# Altium PCB RTM_SFP.PcbDoc (part 4 of 7) (continued)
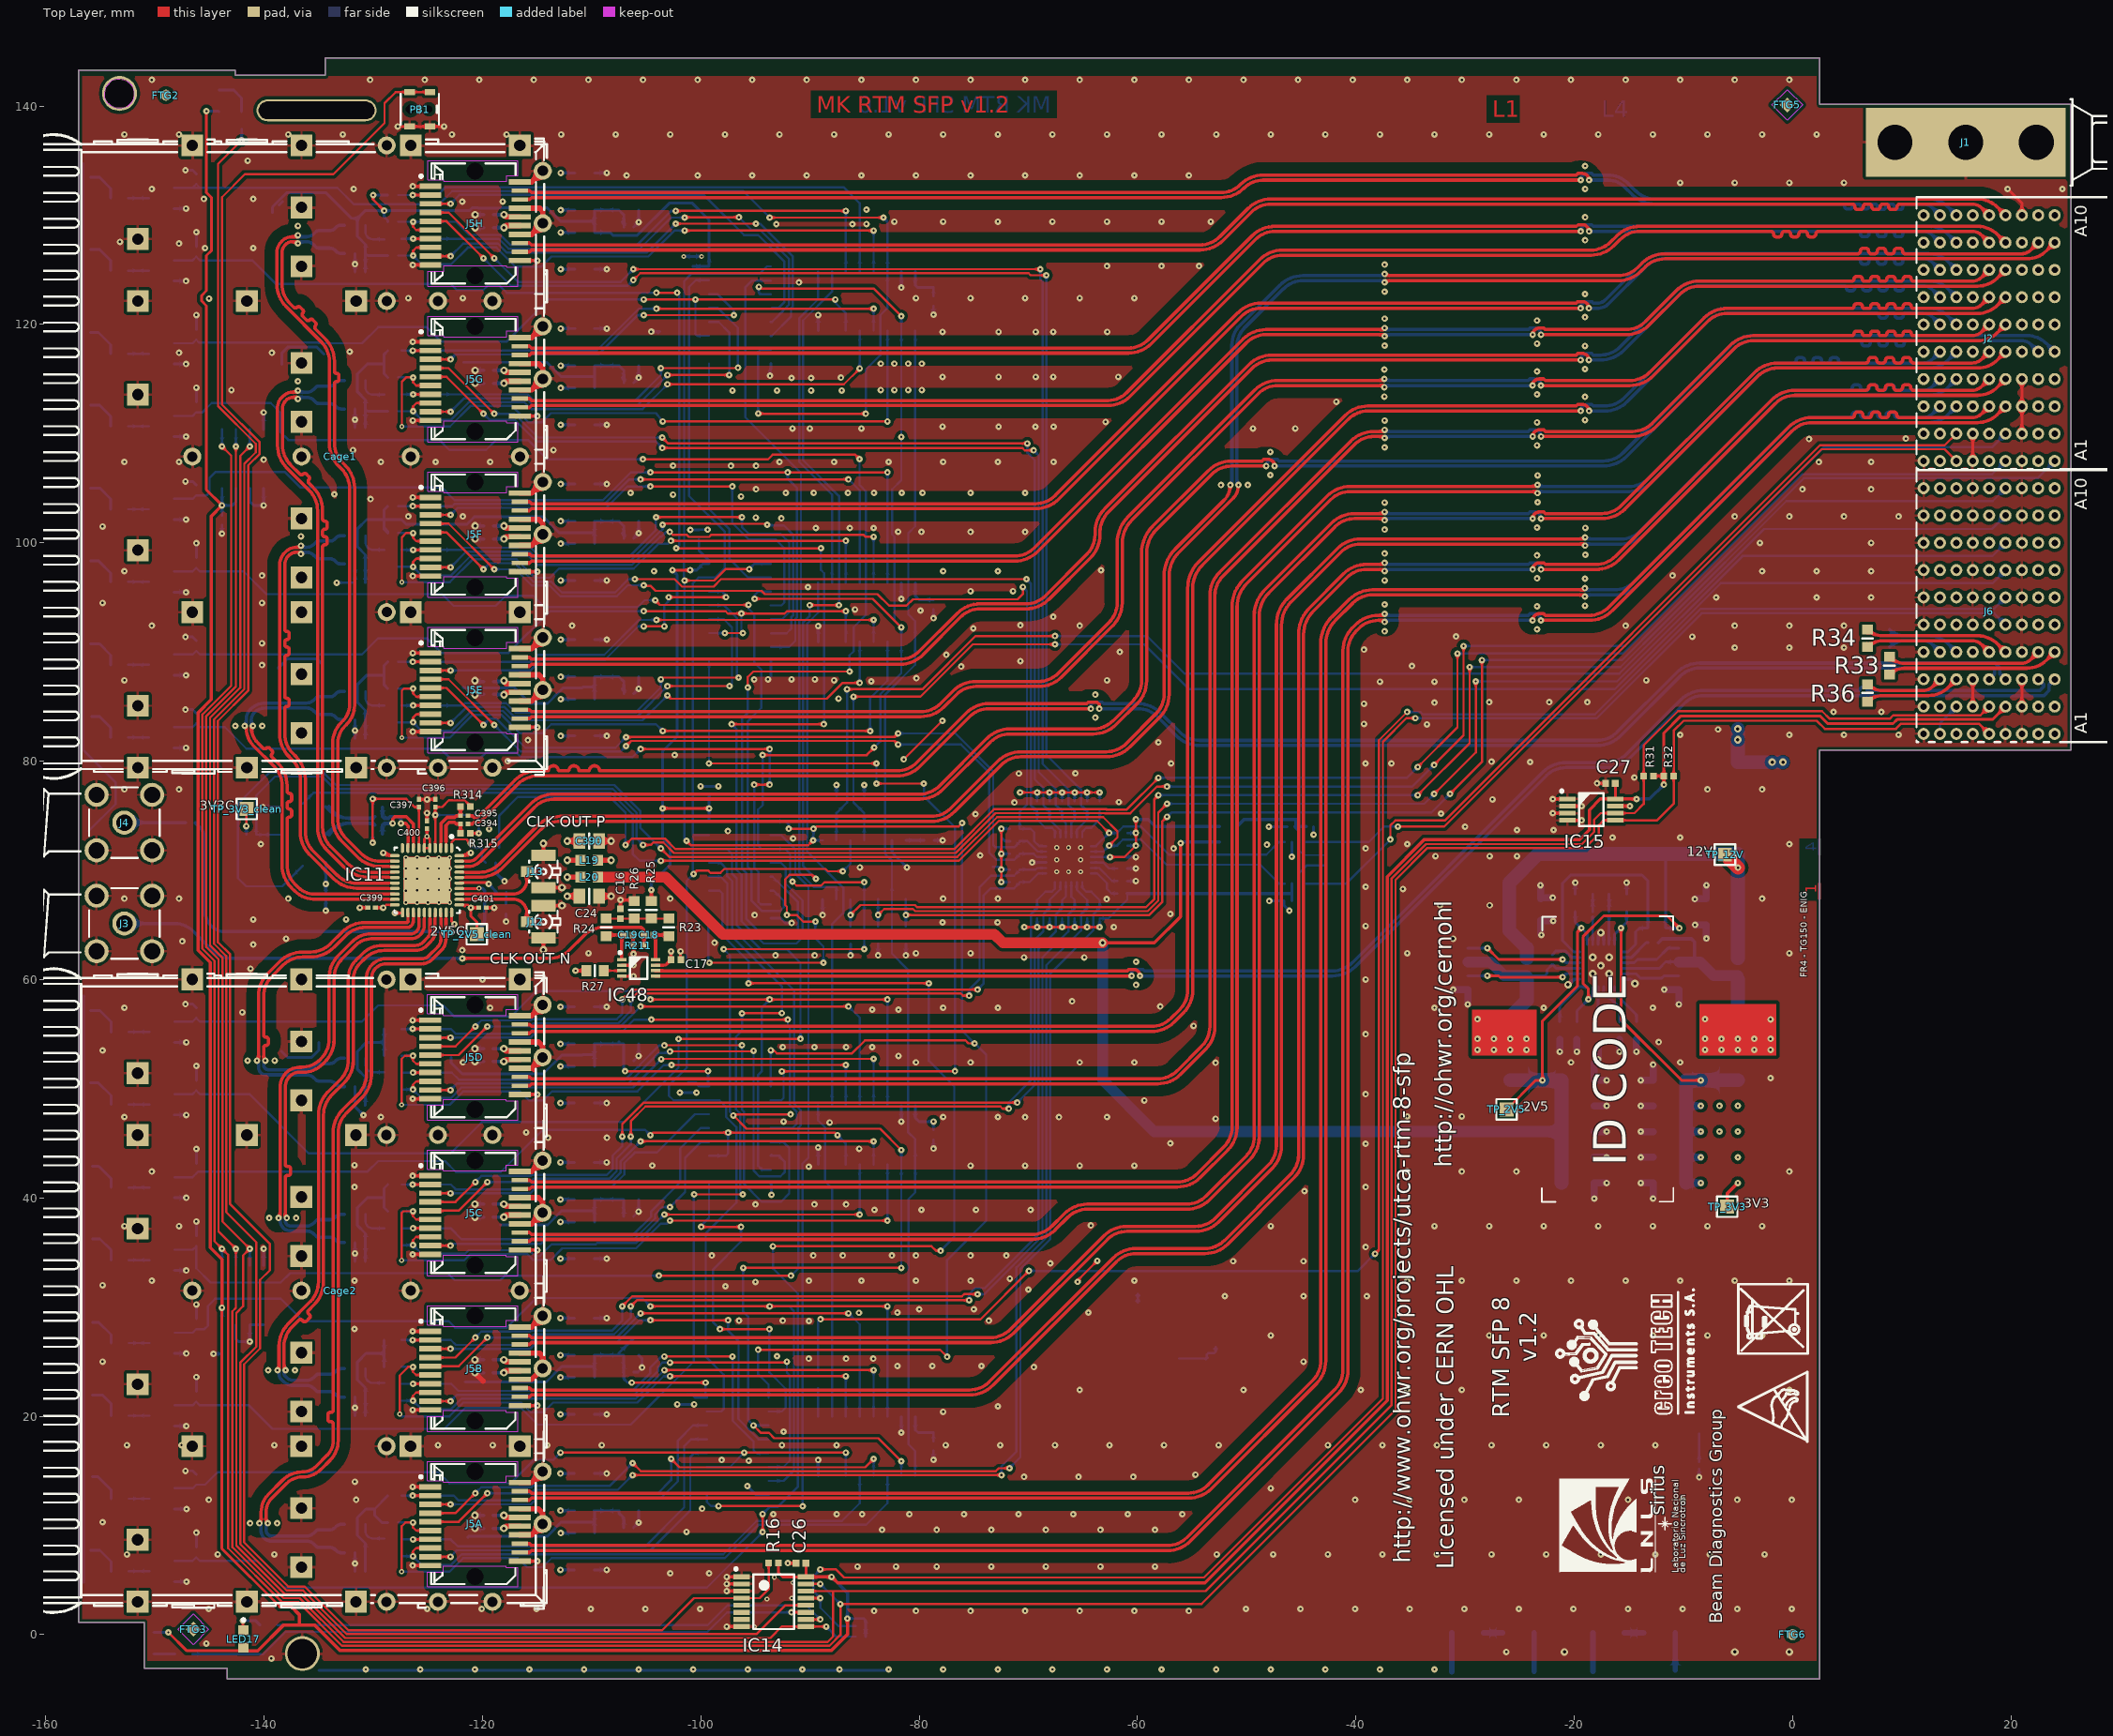
[diagram p0: Top Layer view]
## Nets (pads, with @x,y where several pads share a name; then routed paths per layer and width w, separated by ;. In a path a pad name is that pad's centre, name@x,y a point inside that pad or via, vN(x,y) a via of type N, cw(c..) or ccw(c..) an arc to the next point about the centre after c; other vN are vias at no path point) (continued)
  Top Layer w0.203: C17.1@-102.74,61.81 v1(-102.74,62.59) ; v1(-81.42,80.16) v1(-77.88,83.7) ; v1(-72.485,68.93) v1(-72.485,70.075) v1(-72.485,71.52) v1(-72.485,73.815) ; v1(-70.76,77.135) v1(-69.205,77.135) v1(-68.06,77.135) v1(-66.91,77.135) v1(-65.76,77.135) v1(-64.615,77.135) v1(-63.47,77.135) ; v1(-70.375,64.8) v1(-69.205,64.8) v1(-68.06,64.8) v1(-66.91,64.8) v1(-65.76,64.8) v1(-64.615,64.8) v1(-63.47,64.8) ; v1(-65.49,32.31) -65.49,32.44 v1(-63.69,34.24) ; v1(-62.53,71.22) -61.195,71.22 v1(-60.15,72.265) v1(-60.15,73.42) v1(-60.15,74.675)
  Top Layer w0.254: v1(-130.015,131.85) -130.015,131.43 v1(-129,130.415) ; v1@-111.51,60.81 v1(-111.48,60.81) R27.2@-110.5,60.81 ; v1@-106.943,51.597 v1@-99.349,51.597 ; v1(-106.325,23.075) v1(-99.575,23.075) ; R25.1@-104.54,67.18 v1(-104.54,68.19) ; IC48.7@-104.15,61.31 -103.24,61.31 C17.1@-102.74,61.81 ; v1(-103.5,75.675) v1(-99.245,75.675) ; v1(-102.603,97.498) v1(-100.99,97.498) ; v1(-15.73,64.71) -15.73,56.33 -10.17,50.77 v1(-8.41,50.77)
  Top Layer w0.308: TP_3V3.1@-6,39.2 -6,40.39 v1(-5.02,41.37)
  Top Layer w0.5: L19.1@-109.43,70.93 v2(-108.23,70.93)
  Bottom Layer w0.2: -156.58,134.74 -156.556,81 -153.6,78.044 -153.6,76.07 -156.07,73.6
  Bottom Layer w0.203: C3.1@-78.7,17.706 -78.7,18.496 ; C4.1@-78.7,46.206 v1(-78.7,46.996) ; C8.1@-78.7,122.586 -78.7,123.376 ; -73.252,70.313 -72.723,70.313 v1(-72.485,70.075) R323.2@-71.695,70.075 ; v1(-72.485,68.93) R322.2@-71.695,68.93 ; v1(-72.485,71.52) R329.2@-71.695,71.52 ; v1(-72.485,73.815) R331.2@-71.695,73.815 ; v1(-69.205,64.8) R321.2@-69.205,65.59 ; R332.2@-69.205,76.345 v1(-69.205,77.135) ; v1(-68.06,64.8) R320.2@-68.06,65.59 ; R333.2@-68.06,76.345 v1(-68.06,77.135) ; v1(-66.91,64.8) R319.2@-66.91,65.59 ; R334.2@-66.91,76.345 v1(-66.91,77.135) ; v1(-65.76,64.8) R318.2@-65.76,65.59 ; R335.2@-65.76,76.345 v1(-65.76,77.135) ; v1(-64.615,64.8) R317.2@-64.615,65.59 ; R336.2@-64.615,76.345 v1(-64.615,77.135) ; IC39.21@-64.269,71.22 v1(-62.53,71.22) C402.2@-61.74,71.22 ; v1@-63.84,34.09 v1(-63.69,34.24) ; v1(-63.47,64.8) R316.2@-63.47,65.59 -62.67,65.59 -60.94,67.32 R28.2@-60.94,67.88 ; R328.1@-63.47,76.345 v1(-63.47,77.135) ; R324.2@-60.94,72.265 v1(-60.15,72.265) -59.835,72.265 ; R325.2@-60.94,73.42 v1(-60.15,73.42) ; -60.112,30.56 ccw(c-60.451,30.899) -59.971,30.899 ccw(c-59.492,30.899) -59.831,30.56 ; -59.971,30.42 -59.971,31.21 ; -56.18,25.29 -53.651,25.29 -53.651,25.649 -53.519,25.781 -52.969,25.781 -52.851,25.899 ; -53.914,25.29 cw(c-53.914,25.052) -53.746,25.22 ; -53.721,25.36 ccw(c-53.889,25.528) -53.651,25.528 ccw(c-53.414,25.528) -53.582,25.36 ; -52.982,26.185 cw(c-53.231,25.899) -52.851,25.899 ; -52.851,26.335 -52.851,25.899 ; -52.721,26.185 ccw(c-52.471,25.899) -52.851,25.899 ; -59.971,30.731 cw(c-59.492,30.731) -59.831,31.069 ccw(c-59.492,30.731) -59.971,30.731 ; -59.971,30.731 ccw(c-60.451,30.731) -60.112,31.069 cw(c-60.451,30.731) -59.971,30.731
  Bottom Layer w0.254: -156.529,4.779 -156.529,58.462 -156.49,58.501 ; -139.24,130.24 -139.24,130.75 -137.91,132.08 -134.365,132.08 -132.01,129.725 -131.45,129.725 ; -138.7,88.49 -138.7,88.537 -137.867,89.37 -135.17,89.37 -134.76,88.96 ; -138.63,130.93 -138.32,131.24 ; -138.42,53.44 -137.83,52.85 -135.676,52.85 -135,53.526 -135,54.23 ; -138.37,116.35 -138.37,117.4 -137.82,117.95 -135.2,117.95 -134.53,117.28 ; C202D.2@-130.76,48.49 -130.73,48.49 IC20D.1@-130.73,50.2 -130.73,51.05 -131.45,51.77 -131.45,53.425 -130.62,54.255 -129.014,54.255 ; C202A.2@-130.73,5.789 IC20A.1@-130.73,7.499 -130.73,8.355 -131.475,9.1 -131.475,10.7 -130.67,11.505 -129.885,11.505 ; C202B.2@-130.73,20.04 IC20B.1@-130.73,21.75 -130.73,22.6 -131.45,23.32 -131.45,24.975 -130.67,25.755 -129.014,25.755 ; C202C.2@-130.73,34.19 IC20C.1@-130.73,35.9 -130.73,36.75 -131.45,37.47 -131.45,39.125 -130.57,40.005 -129.014,40.005 ; C202E.2@-130.73,82.09 IC20E.1@-130.73,83.8 -130.73,84.65 -131.45,85.37 -131.45,87.025 -130.59,87.885 -129,87.885 ; C202F.2@-130.73,96.35 IC20F.1@-130.73,98.06 -130.73,98.91 -131.45,99.63 -131.45,101.285 -130.6,102.135 -129,102.135 ; C202G.2@-130.73,110.55 IC20G.1@-130.73,112.26 ; C202H.2@-130.73,124.79 IC20H.1@-130.73,126.5 ; v1(-130.015,131.85) R400H.2@-128.67,131.85 ; -129.014,24.52 -129.014,25.755 ; -129.014,26.97 -129.014,25.755 ; -129.014,53.02 -129.014,54.255 ; -129.014,55.47 -129.014,54.255 ; R403A.2@-128.67,10.27 -129.245,10.27 -129.885,10.91 -129.885,11.505 ; R400A.2@-128.67,12.72 -129.885,11.505 ; R403C.2@-128.67,38.77 -129.014,39.114 -129.014,40.005 ; R400C.2@-128.67,41.22 -129.014,40.876 -129.014,40.005 ; R403E.2@-128.67,86.65 -129,86.98 -129,87.885 ; R400E.2@-128.67,89.1 -129,88.77 -129,87.885 ; R400F.2@-128.67,103.35 -129,103.02 -129,102.135 ; R404G.2@-128.67,112.045 -130.515,112.045 IC20G.1@-130.73,112.26 ; R403G.2@-128.67,115.15 -129,115.48 -129,116.385 ; R400G.2@-128.67,117.6 -129,117.27 -129,116.385 ; R404H.2@-128.67,126.305 -130.535,126.305 IC20H.1@-130.73,126.5 ; R403H.2@-128.67,129.4 -128.67,129.53 -129,129.86 v1(-129,130.415) ; -122.86,52.86 -122.86,52.35 -121.86,51.35 -114.45,51.35 -112.705,53.095 -110.859,53.095 -110.834,53.121 -109.762,53.121 ; -121.78,86.78 -121.721,86.721 -120.401,86.721 -120.391,86.711 -118.328,86.711 -118.318,86.721 -117.723,86.721 -117.664,86.78 -117.13,86.78 -115.643,85.293 -114.027,85.293 -113.424,85.896 -113.424,85.92 -112.619,86.726 -110.859,86.726 -110.81,86.775 -109.759,86.775 ; -121.73,116.54 -114.115,116.54 -112.8,115.226 -109.845,115.226 -109.78,115.16 ; -121.59,23.14 -114.169,23.14 -112.755,24.554 -109.787,24.554 -109.771,24.57 ; -121.35,8.9 -121.223,9.027 -114.032,9.027 -113.385,9.674 -113.385,9.715 -112.79,10.31 -109.807,10.31 -109.765,10.352 ; -118.366,37.527 -114.032,37.527 -113.385,38.174 -113.385,38.195 -112.748,38.832 -109.768,38.832 ; -109.776,100.926 -110.851,100.926 -110.859,100.934 -112.984,100.934 -114.42,102.37 -120.75,102.37 -120.94,102.18 -120.947,102.18 -121.415,101.711 -127.011,101.711 -127.44,102.14 -128.26,102.14 -128.265,102.135 -129,102.135 ; L5A.1@-109.764,11.35 L5A.1@-109.75,11.35 ; L5B.1@-109.764,25.6 L5B.1@-109.75,25.6 ; L5C.1@-109.764,39.85 L5C.1@-109.75,39.85 C13C.1@-107.5,39.85 -107.064,39.85 C186C.1@-107.064,38.3 ; L5D.1@-109.764,54.1 L5D.1@-109.75,54.1 ; L11A.1@-109.75,9.3 L5A.1@-109.75,11.35 ; L11B.1@-109.75,23.55 L5B.1@-109.75,25.6 ; L11C.1@-109.75,37.8 L5C.1@-109.75,39.836 ; L11D.1@-109.75,52.05 L5D.1@-109.75,54.1 ; L11E.1@-109.75,85.68 L5E.1@-109.75,87.73 C13E.1@-107.5,87.73 -107.05,87.28 C186E.1@-107.05,86.18 ; L11F.1@-109.75,99.93 L5F.1@-109.75,101.98 C13F.1@-107.5,101.98 -107.05,101.53 C186F.1@-107.05,100.43 ; L11G.1@-109.75,114.18 L5G.1@-109.75,116.23 C13G.1@-107.5,116.23 -107.05,115.78 C186G.1@-107.05,114.68 ; C13D.1@-107.5,54.3 C13D.1@-107.5,54.1 ; -107.194,86.645 ccw(c-106.706,86.776) C186E.1@-106.958,86.338 ; -107.194,129.395 ccw(c-106.706,129.526) C186H.1@-106.958,129.088 ; -107.19,100.88 ccw(c-106.71,101.008) C186F.1@-106.958,100.578 ; -107.19,115.13 ccw(c-106.71,115.258) C186G.1@-106.958,114.828 ; C186B.1@-107.1,24.014 -107.064,24.05 -107.064,25.6 C13B.1@-107.5,25.6 ; C186A.1@-107.057,9.793 -107.057,10.682 -107.514,11.139 -107.514,11.35 L5A.1@-109.75,11.35 ; C186B.1@-107.05,24.04 -107.05,23.425 -106.725,23.1 v1(-106.325,23.075) ; C186H.1@-107.05,128.93 -107.05,130.03 C13H.1@-107.5,130.48 L5H.1@-109.75,130.48 -109.75,129.46 ; v1(-106.944,51.597) -106.944,51.704 -107.064,51.825 -107.064,54.1 C13D.1@-107.5,54.1 ; -106.2,27.11 -107.5,25.81 C13B.1@-107.5,25.6 ; v1(-104.54,68.19) -104.54,68.78 -102.81,70.51 -102.81,72.25 -103.5,72.94 v1(-103.5,75.675) -103.5,80.92 -102.184,82.236 -102.184,97.079 v1(-102.603,97.498) ; C2.1@-101.219,21.989 -100.772,21.989 -100.484,21.701 IC8.16@-99.45,21.701 -99.575,21.826 v1(-99.575,23.075) ; C22.1@-101.168,50.539 -100.436,50.539 -100.125,50.228 -99.25,50.228 -99.348,50.327 v1(-99.348,51.597) ; v1(-100.99,97.498) -100.393,97.498 -99.81,98.081 IC4.16@-99.25,98.081 -99.25,98.361 -100.178,99.289 C7.1@-100.178,100.293 ; C6.1@-100.736,125.331 -100.726,125.32 IC3.16@-99.25,125.32 -99.25,129.57 -100.82,131.14 -102.85,131.14 -105.84,128.15 -108.04,128.15 -108.32,128.43 L11H.1@-109.75,128.43 -109.75,129.46 ; IC10.16@-99.25,74.495 v1@-99.25,75.67 ; v1(-99.245,75.675) -99.245,76.777 C1.1@-99.224,76.799 ; IC1.14@-81.23,72.75 C23.1@-79.54,72.75 ; IC9.16@-80.37,19.956 -80.37,18.76 -80.106,18.496 -78.7,18.496 ; IC7.16@-80.37,48.456 -80.37,47.35 -80.016,46.996 v1(-78.7,46.996) ; IC5.16@-80.37,96.336 -80.37,95.14 -80.016,94.786 C20.1@-78.7,94.786 ; IC2.16@-80.37,124.836 -80.37,123.6 -80.146,123.376 -78.7,123.376 ; -72.36,72.91 -72.12,72.67 R330.2@-71.695,72.67 ; C30.1@-45.875,67.2 IC17.7@-45.875,68.79 ; IC16.6@-16.31,63.23 -16.31,64.13 -15.21,65.23 R53.2@-15.21,66.23 ; C403.2@-8.56,15.84 -8.56,18.386 ; -131.45,129.725 -131.45,128.07 -130.73,127.35 IC20H.1@-130.73,126.5 ; -131.45,129.725 -130.76,130.415 v1(-129,130.415) ; IC20G.1@-130.73,112.26 -130.73,113.11 -131.45,113.83 -131.45,115.485 -130.55,116.385 -129,116.385 ; -129,101.394 -129,102.135 ; -129,101.394 -129,101.23 R403F.2@-128.67,100.9 -128.67,101.064 -129,101.394 ; v1(-129,130.415) -121.211,130.415 -120.947,130.68 -120.425,130.68 -120.402,130.656 -118.317,130.656 -118.294,130.68 -114.08,130.68 -112.86,129.46 -109.75,129.46 ; L5B.1@-109.75,25.6 C13B.1@-107.5,25.6 ; L5D.1@-109.75,54.1 C13D.1@-107.5,54.1
  Bottom Layer w0.3: v1(-60.15,74.675) -59.045,74.675 -58.37,74 L3.2@-52.506,74
  Bottom Layer w0.308: R28.2@-60.94,67.88 -45.925,67.88
  Bottom Layer w0.635: C15.2@-9.77,41.37 v1(-8.41,41.37) ; C213.2@-9.77,43.72 v1(-8.41,43.72) ; C210.2@-9.77,46.07 v1(-8.41,46.07) ; C208.2@-9.77,48.42 v1(-8.41,48.42)
  Bottom Layer w1.27: C15.2@-9.77,41.37 C213.2@-9.77,43.72 C210.2@-9.77,46.07 C208.2@-9.77,48.42 C209.2@-9.77,50.77 v1(-8.41,50.77) L1.2@-5.02,50.77
  other v1: -5.02,43.72 -6.71,46.07 -5.02,46.07 -6.71,48.42 -5.02,48.42
P3V3_CLEAN: C390.2 C391.2 L19.2 OSC1.6 R311.2 TP_3V3_clean.1 | length 7.5
  Top Layer w0.203: v1(-141.63,74.05) -141.63,75.591 TP_3V3_clean.1@-141.6,75.621
  Top Layer w0.5: v2(-112.23,70.93) L19.2@-111.03,70.93 ; v2(-112.23,72.68) C390.2@-111.13,72.68
  Bottom Layer w0.203: R311.2@-141.63,73.27 v1(-141.63,74.05)
  Bottom Layer w0.254: C391.2@-134.36,67.93 v1(-134.36,68.76) OSC1.6@-134.36,70.73
P3V3MP: C21.1 C25.1 C26.1 C27.1 IC12.8 IC13.7 IC13.8 IC14.16 IC15.8 J6.C2 LDx.2 LDy.2 LED17.2 R14.1 R15.1 R16.1 R31.1 R32.1 | length 413.9
  Top Layer w0.254: v1(-148.78,0.21) -148.773,0.21 -148.771,0.211 -147.071,-1.489 LED17.2@-142.001,-1.489 ; v1(-145.29,139.54) -145.29,132.079 -144.836,131.625 -144.836,126.76 -145.29,126.306 -145.29,123.079 -145.729,122.64 -145.729,122.16 -145.29,121.721 -145.29,104.859 v1(-143.86,103.43) ; -143.877,8.5 -143.877,7.873 -138.561,2.557 ; -143.877,8.5 -143.877,29.682 -143.86,29.698 v1(-143.86,29.943) ; R16.1@-92.89,6.54 -92.89,5.68 -92.495,5.285 IC14.16@-90.38,5.285 C26.1@-90.38,6.54 ; IC15.8@-16.24,76.535 C27.1@-16.24,77.97 ; R31.1@-12.74,78.64 R32.1@-11.79,78.64 ; v1(-11.79,77.85) R32.1@-11.79,78.64 ; J6.C2@19.5,85 18.315,83.815 9.575,83.815 9.2,83.44 3.2,83.44 2.49,84.15 -10.23,84.15 -11.79,82.59 R32.1@-11.79,78.64
  Top Layer w0.3: v1(-143.86,29.943) -143.86,34.36 -144.947,35.447 -144.947,61.547 -146.064,62.664 -146.064,84.436 -144.86,85.64 -144.86,102.43 v1(-143.86,103.43) ; LED17.2@-142.001,-1.489 -140.589,-1.489 -138.25,0.85 -136.79,0.85 ; -138.561,2.557 -137.507,2.557 -136.79,1.84 -136.79,0.85 ; IC14.16@-90.38,5.285 v1(-88.03,5.285) -87.47,4.725 -53.845,4.725 -37.13,21.44 -37.13,69.434 -33.754,72.81 -19.518,72.81 -18.619,73.709 -18.619,75.531 -17.615,76.535 IC15.8@-16.24,76.535 v1(-14.3,76.535) ; v1(-86.58,1.47) -86.58,0.025 -88.037,-1.432 -133.072,-1.432 -135.354,0.85 -136.79,0.85
  Bottom Layer w0.254: LDx.2@-150.101,0.211 -148.781,0.211 v1(-148.78,0.21) ; v1(-145.29,139.54) LDy.2@-144.205,139.54 LDy.2@-144.151,139.486 ; C21.1@-143.86,26.62 IC12.8@-143.86,28.386 v1(-143.86,29.943) ; C25.1@-143.86,102.525 v1(-143.86,103.43) ; IC13.8@-143.86,104.986 v1(-143.86,103.43) ; IC13.7@-142.59,104.986 -142.59,103.75 -142.91,103.43 v1(-143.86,103.43) ; v1(-86.58,1.47) -85.09,1.47 -84.91,1.29 R15.1@-84.91,0.77 R14.1@-84.91,-0.18
  Bottom Layer w0.3: v1(-88.03,5.285) -86.58,3.835 v1(-86.58,1.47) ; v1(-14.3,76.535) -13.105,76.535 v1(-11.79,77.85)
P4: IC14.10 R9.1 | length 52.3
  Top Layer w0.203: IC14.10@-90.38,1.385 v1(-89.055,1.385)
  Bottom Layer w0.203: R9.1@-138.78,0.87 -99.38,0.87 -97.58,2.67 -90.34,2.67 v1(-89.055,1.385)
P4_RED: LED17.1 R9.2 | length 2.7
  Top Layer w0.254: v1(-141.955,1.29) -141.955,0.4 LED17.1@-141.9,0.4
  Bottom Layer w0.254: v1(-141.955,1.29) -140.8,1.29 R9.2@-140.38,0.87
P12V: C9.2 C10.2 C12.2 C14.2 C84.1 F1.2 IC16.17 R17.1 T5.5 T5.6 T6.5 T6.6 TP_12V.1 | length 68.9
  Top Layer w0.254: v1(-18.7,58.19) -18.7,59.13 -19.21,59.64 -19.21,63.915 -17.3,65.825 -11.495,65.825 v1(-10.37,64.7)
  Top Layer w1.27: TP_12V.1@-6.2,71.442 v4(-5,70.242)
  Bottom Layer w0.254: C84.1@-19.76,56.13 C84.1@-19.76,56.23 -19.76,57.13 v1(-18.7,58.19) -18.31,58.58 IC16.17@-18.31,59.33 ; -11.65,71.48 R17.1@-11.65,64.7 v1(-10.37,64.7)
  Bottom Layer w0.635: -5.108,67.412 -5.02,67.5
  Bottom Layer w1.27: -24.35,61.95 T5.5@-24.35,62.885 -25.95,64.485 -25.95,68.84 -23.28,71.51 F1.2@-5.02,71.51 v4@-5.02,70.242 ; -5.02,61.95 T6.5@-5.02,62.885 -5.02,67.5 v4@-5.02,70.22 ; v4@-5,70.22 v4(-5,70.242)
RTM_IO0: IC14.13 J6.C5 R15.2 | length 191.9
  Top Layer w0.203: IC14.13@-90.38,3.335 v1(-89.055,3.335) ; v1(-89.055,5.97) -87.62,5.97 -86.875,5.225 -53.917,5.225 -42.346,16.796 -37.534,21.608 -37.534,81.776 -35.372,83.938 v1(-34.56,83.938)
  Bottom Layer w0.203: v1(-89.055,5.97) -89.7,5.325 -89.7,3.98 v1(-89.055,3.335) -89.055,2.455 -87.37,0.77 R15.2@-85.81,0.77 ; v1@-34.59,83.938 v1(-34.56,83.938) -17.942,83.938 -8.33,93.55 18.45,93.55 J6.C5@19.5,92.5 ; 18.967,92.814 ccw(c19.599,92.983) J6.C5@19.468,92.343 ; 19.186,93.033 cw(c19.017,92.401) J6.C5@19.657,92.532
RTM_IO1: J6.C6 R6.1 | length 169.7
  Top Layer w0.203: v1(-89.046,28.876) -74.384,28.876 v1(-69.948,33.312) ; v1(-38.25,34.88) -37.889,35.241 -37.889,81.923 -35.313,84.5 v1(-35.31,84.5)
  Bottom Layer w0.203: R6.1@-89.26,24.179 -89.26,28.662 v1(-89.046,28.876) ; v1(-69.948,33.312) -39.818,33.312 v1(-38.25,34.88) ; v1(-35.31,84.5) -34.08,84.5 -33.874,84.294 -18.089,84.294 -8.423,93.96 18.46,93.96 J6.C6@19.5,95 ; 18.967,94.686 cw(c19.599,94.517) J6.C6@19.468,95.157 ; 19.186,94.467 ccw(c19.017,95.099) J6.C6@19.657,94.968
RTM_IO2: IC1.11 J6.C7 R5.2 | length 128.8
  Top Layer w0.203: v1(-86.03,85.91) -79.88,85.91 -75.09,90.7 v1(-67.57,90.7)
  Bottom Layer w0.203: v1(-86.03,85.91) -86.03,76.24 R5.2@-85.04,75.25 IC1.11@-85.04,72.75 ; v1(-67.57,90.7) -59.387,90.7 -55.277,86.59 -16.296,86.59 -15.588,87.298 -6.586,96.3 18.3,96.3 J6.C7@19.5,97.5 ; 18.967,97.186 cw(c19.599,97.017) J6.C7@19.468,97.657 ; 19.186,96.967 ccw(c19.017,97.599) J6.C7@19.657,97.468
RTM_IO3: IC1.3 J6.C8 R13.2 | length 130.1
  Top Layer w0.203: v1(-83.77,65.91) -83.216,66.464 -80.578,66.464 -80.38,66.266 -59.077,66.266 -58.106,67.237 -58.106,75.294 v1(-57.3,76.1) ; v1(-32.83,77) -29.02,80.81 v1(-29.02,87.31)
  Bottom Layer w0.203: R13.2@-83.77,64.85 v1(-83.77,65.91) IC1.3@-83.77,67.35 ; v1(-57.3,76.1) -33.73,76.1 v1(-32.83,77) ; v1(-29.02,87.31) -16.078,87.31 -15.839,87.549 ; -15.758,87.63 -15.839,87.549 ; 18.967,99.686 cw(c19.599,99.517) J6.C8@19.468,100.157 ; 19.186,99.467 ccw(c19.017,100.099) J6.C8@19.657,99.968 ; J6.C8@19.5,100 18.29,98.79 -4.598,98.79 -15.839,87.549
RTM_IO4: IC1.9 J6.C9 R2.2 | length 131.2
  Top Layer w0.203: v1(-86.61,86.59) -79.72,86.59 -74.85,91.46 v1(-67.57,91.46)
  Bottom Layer w0.203: IC1.9@-87.58,72.75 R2.2@-87.58,75.25 -86.61,76.22 v1(-86.61,86.59) ; v1(-67.57,91.46) -59.141,91.46 -55.701,88.02 -15.871,88.02 -2.621,101.27 18.27,101.27 J6.C9@19.5,102.5 ; 18.967,102.186 cw(c19.599,102.017) J6.C9@19.468,102.657 ; 19.186,101.967 ccw(c19.017,102.599) J6.C9@19.657,102.468
RTM_IO5: IC1.5 J6.C10 R3.2 | length 135.5
  Top Layer w0.203: v1(-86.3,65.91) -85.39,66.82 -80.41,66.82 -80.211,66.621 -59.225,66.621 -58.461,67.385 -58.461,76.519 v1(-58.09,76.89) ; v1(-34.34,76.89) -29.58,81.65 v1(-29.58,88.62)
  Bottom Layer w0.203: R3.2@-86.3,64.85 v1(-86.3,65.91) IC1.5@-86.3,67.34 ; v1(-58.09,76.89) v1(-34.34,76.89) ; v1(-29.58,88.62) -15.774,88.62 -11.667,92.727 -0.564,103.83 18.33,103.83 J6.C10@19.5,105 ; 18.967,104.686 cw(c19.599,104.517) J6.C10@19.468,105.157 ; 19.186,104.467 ccw(c19.017,105.099) J6.C10@19.657,104.968
RTM_IO6: IC1.1 J2.A1 R4.2 | length 136.2
  Top Layer w0.203: v1(-81.23,65.91) -58.93,65.91 -57.75,67.09 -57.75,74.46 v1(-57.3,74.91) ; v1(-31.38,77) -28.46,79.92 v1(-28.46,89.26)
  Bottom Layer w0.203: R4.2@-81.23,64.85 v1(-81.23,65.91) IC1.1@-81.23,67.35 ; v1(-57.3,74.91) -56.9,75.31 -33.07,75.31 v1(-31.38,77) ; v1(-28.46,89.26) -15.637,89.26 -11.919,92.979 1.022,105.919 22.419,105.919 J2.A1@24,107.5 ; 23.467,107.186 cw(c24.099,107.017) J2.A1@23.968,107.657 ; 23.686,106.967 ccw(c23.517,107.599) J2.A1@24.157,107.468
RTM_IO7: J2.A2
RTM_IO8: J2.C1 R391.2 | length 166
  Top Layer w0.203: v1(-106.9,72.33) -106.321,72.909 -103.293,72.909 -102.33,71.946 -76.799,71.946 -73.154,75.591 -62.856,75.591 -62.84,75.575 -60.985,75.575 v1(-58.09,78.47) ; v1@-34.335,79.465 -30.7,83.1 v1(-30.7,89.86)
  Bottom Layer w0.203: R391.2@-118.46,72.09 -118.46,75.03 -116.755,76.735 -108.355,76.735 -106.9,75.28 v1(-106.9,72.33) ; v1@-58.19,78.47 v1(-58.09,78.47) -35.34,78.47 v1(-34.34,79.47) ; v1(-30.7,89.86) -15.54,89.86 -12.17,93.23 0.874,106.274 18.274,106.274 J2.C1@19.5,107.5 ; 18.967,107.186 cw(c19.599,107.017) J2.C1@19.468,107.657 ; 19.186,106.967 ccw(c19.017,107.599) J2.C1@19.657,107.468
RTM_IO9: J2.C2 OSC1.2 R311.1 | length 193.3
  Top Layer w0.203: v1(-105.29,72.33) -104.59,72.33 -104.366,72.554 -103.441,72.554 -102.477,71.591 -76.652,71.591 -73.007,75.236 -63.003,75.236 -62.987,75.22 -60.67,75.22 -58.21,77.68 v1(-57.3,77.68) ; v1@-32.84,79.66 -30.14,82.36 v1(-30.14,90.55)
  Bottom Layer w0.203: OSC1.2@-138.56,73.27 R311.1@-140.73,73.27 -140.73,76.86 -139,78.59 -134.697,78.59 -133.573,77.465 -108.08,77.465 -105.889,75.274 -105.889,72.929 v1(-105.29,72.33) ; v1(-57.3,77.68) -34.82,77.68 v1@-32.84,79.66 ; v1(-30.14,90.55) -15.353,90.55 -12.421,93.481 2.853,108.756 18.256,108.756 J2.C2@19.5,110 ; 18.967,109.686 cw(c19.599,109.517) J2.C2@19.468,110.157 ; 19.186,109.467 ccw(c19.017,110.099) J2.C2@19.657,109.968
  other v1: -32.83,79.65
RTM_IO10: IC17.4 J2.E1 | length 74.9
  Top Layer w0.203: v1(-36.16,74.01) -31.917,74.01 2.647,108.575 13.925,108.575 J2.E1@15,107.5
  Bottom Layer w0.203: IC17.4@-44.575,72.59 -38.849,72.59 -37.429,74.01 v1(-36.16,74.01)
RTM_IO11: IC17.5 J2.E2 | length 77.4
  Top Layer w0.203: v1(-36.841,72.819) -36.841,74.112 -36.389,74.564 -31.866,74.564 2.5,108.93 13.93,108.93 J2.E2@15,110
  Bottom Layer w0.203: IC17.5@-44.575,68.79 -40.87,68.79 v1(-36.841,72.819)
RTM_IO12: J6.A7
RTM_LVD0_N: J6.F5
RTM_LVD0_P: J6.E5
RTM_LVD1_N: J6.F6
RTM_LVD1_P: J6.E6
RTM_LVD2_N: J6.F7
RTM_LVD2_P: J6.E7
RTM_LVD3_N: J6.F8
RTM_LVD3_P: J6.E8
RTM_LVD4_N: J6.F9
RTM_LVD4_P: J6.E9
RTM_LVD5_N: J6.F10
RTM_LVD5_P: J6.E10
RTM_LVD6_N: J6.B5
RTM_LVD6_P: J6.A5
RTM_LVD7_N: J6.B6
RTM_LVD7_P: J6.A6
SFP1RX_N: J2.D10 J5H.12 | length 138.3
  Top Layer w0.305: J5H.12@-116.575,126.656 -115.671,126.656 -115.499,126.828 -54.267,126.828 ccw(c-54.267,129.8) -52.165,127.698 -49.577,130.286 cw(c-47.781,128.49) -47.781,131.03 5.445,131.03 cw(c5.445,130.775) 5.7,130.775 ccw(c5.95,130.775) 5.95,130.525 6.205,130.525 ccw(c6.205,130.775) 6.455,130.775 cw(c6.71,130.775) 6.705,131.03 7,131.03 cw(c7,130.775) 7.255,130.775 ccw(c7.505,130.775) 7.505,130.525 7.76,130.525 ccw(c7.76,130.775) 8.01,130.775 cw(c8.265,130.775) 8.26,131.03 8.555,131.03 cw(c8.555,130.775) 8.81,130.775 ccw(c9.06,130.775) 9.06,130.525 9.315,130.525 ccw(c9.315,130.775) 9.565,130.775 cw(c9.82,130.775) 9.815,131.03 16.439,131.03 cw(c16.439,129.748) 17.345,130.655 J2.D10@18,130
SFP1RX_P: J2.C10 J5H.13 | length 138.2
  Top Layer w0.305: J5H.13@-116.575,127.456 -115.671,127.456 -115.499,127.285 -54.277,127.285 ccw(c-54.277,129.825) -52.481,128.029 -49.9,130.61 cw(c-47.782,128.492) -47.782,131.487 16.961,131.487 cw(c16.961,128.947) 18.757,130.743 J2.C10@19.5,130
SFP1TX_N: J2.F10 J5H.19 | length 134
  Top Layer w0.305: J5H.19@-116.575,132.256 -115.671,132.256 -115.499,132.085 -52.357,132.085 ccw(c-52.357,134.625) -50.561,132.829 cw(c-48.495,130.763) -48.495,133.685 -19.808,133.685 -19.661,133.832 -19.255,133.832 cw(c-19.255,133.228) v1(-18.65,133.228)
  Bottom Layer w0.305: v1@-18.502,133.228 -16.93,133.228 cw(c-16.93,131.041) -15.384,132.588 -14.701,131.904 ccw(c-12.59,134.016) -12.59,131.03 4.555,131.03 cw(c4.555,130.825) 4.76,130.825 ccw(c4.995,130.825) 4.995,130.59 5.27,130.59 ccw(c5.27,130.825) 5.505,130.825 cw(c5.71,130.825) 5.71,131.03 6.04,131.03 cw(c6.04,130.825) 6.245,130.825 ccw(c6.48,130.825) 6.48,130.59 6.755,130.59 ccw(c6.755,130.825) 6.99,130.825 cw(c7.195,130.825) 7.195,131.03 7.525,131.03 cw(c7.525,130.775) 7.78,130.775 ccw(c8.02,130.775) 8.02,130.535 8.295,130.535 ccw(c8.295,130.775) 8.535,130.775 cw(c8.79,130.775) 8.79,131.03 9.08,131.03 cw(c9.08,130.775) 9.335,130.775 ccw(c9.575,130.775) 9.575,130.535 9.85,130.535 ccw(c9.85,130.775) 10.09,130.775 cw(c10.345,130.775) 10.34,131.03 11.939,131.03 cw(c11.939,129.748) 12.845,130.655 J2.F10@13.5,130
SFP1TX_P: J2.E10 J5H.18 | length 133.7
  Top Layer w0.305: J5H.18@-116.575,131.456 -115.671,131.456 -115.499,131.628 -52.344,131.628 ccw(c-52.344,134.594) -50.247,132.497 ; -50.246,132.497 cw(c-48.482,130.732) -48.482,133.228 v1(-19.41,133.228)
  Bottom Layer w0.305: v1(-19.41,133.228) cw(c-18.805,133.228) -18.805,133.832 -18.399,133.832 -18.252,133.685 -16.924,133.685 cw(c-16.924,131.055) -15.065,132.915 -14.381,132.231 ccw(c-12.585,134.027) -12.585,131.487 12.461,131.487 cw(c12.461,128.947) 14.257,130.743 J2.E10@15,130
SFP2RX_N: J2.D9 J5G.12 | length 142.9
  Top Layer w0.305: J5G.12@-116.575,112.406 -115.671,112.406 -115.499,112.578 -62.699,112.578 ccw(c-62.699,115.395) -60.707,113.403 -48.504,125.606 cw(c-46.708,123.81) -46.708,126.35 -18.451,126.35 ccw(c-18.451,129.299) -16.366,127.214 -15.794,127.786 cw(c-13.998,125.99) -13.998,128.53 -2,128.53 cw(c-2,128.275) -1.745,128.275 ccw(c-1.495,128.275) -1.495,128.025 -1.24,128.025 ccw(c-1.24,128.275) -0.99,128.275 cw(c-0.735,128.275) -0.74,128.53 -0.445,128.53 cw(c-0.445,128.275) -0.19,128.275 ccw(c0.06,128.275) 0.06,128.025 0.315,128.025 ccw(c0.315,128.275) 0.565,128.275 cw(c0.82,128.275) 0.815,128.53 1.11,128.53 cw(c1.11,128.275) 1.365,128.275 ccw(c1.615,128.275) 1.615,128.025 1.87,128.025 ccw(c1.87,128.275) 2.12,128.275 cw(c2.375,128.275) 2.37,128.53 16.439,128.53 cw(c16.439,127.248) 17.345,128.155 J2.D9@18,127.5
SFP2RX_P: J2.C9 J5G.13 | length 142.8
  Top Layer w0.305: J5G.13@-116.575,113.206 -115.671,113.206 -115.499,113.035 -62.699,113.035 ccw(c-62.699,115.395) -61.03,113.726 -48.821,125.935 cw(c-46.716,123.83) -46.716,126.807 -18.475,126.807 ccw(c-18.475,129.347) -16.679,127.551 -16.124,128.106 cw(c-13.997,125.98) -13.997,128.987 16.961,128.987 cw(c16.961,126.447) 18.757,128.243 J2.C9@19.5,127.5
SFP2TX_N: J2.F9 J5G.19 | length 137
  Top Layer w0.305: J5G.19@-116.575,118.006 -115.671,118.006 -115.499,117.835 -60.847,117.835 ccw(c-60.847,120.375) -59.051,118.579 -49.516,128.114 cw(c-47.408,126.006) -47.408,128.987 -19.804,128.987 -19.656,129.135 -19.251,129.135 cw(c-19.251,128.53) v1(-18.646,128.53)
  Bottom Layer w0.305: v1(-18.646,128.53) 5.97,128.53 cw(c5.97,128.275) 6.225,128.275 ccw(c6.465,128.275) 6.465,128.035 6.74,128.035 ccw(c6.74,128.275) 6.98,128.275 cw(c7.235,128.275) 7.23,128.53 7.525,128.53 cw(c7.525,128.275) 7.78,128.275 ccw(c8.02,128.275) 8.02,128.035 8.295,128.035 ccw(c8.295,128.275) 8.535,128.275 cw(c8.79,128.275) 8.79,128.53 9.08,128.53 cw(c9.08,128.275) 9.335,128.275 ccw(c9.575,128.275) 9.575,128.035 9.85,128.035 ccw(c9.85,128.275) 10.09,128.275 cw(c10.345,128.275) 10.34,128.53 11.939,128.53 cw(c11.939,127.248) 12.845,128.155 J2.F9@13.5,127.5
SFP2TX_P: J2.E9 J5G.18 | length 136.9
  Top Layer w0.305: J5G.18@-116.575,117.206 -115.671,117.206 -115.499,117.378 -60.844,117.378 ccw(c-60.844,120.367) -58.73,118.253 -49.197,127.786 cw(c-47.401,125.99) -47.401,128.53 v1(-19.406,128.53)
  Bottom Layer w0.305: v1(-19.406,128.53) cw(c-18.801,128.53) -18.801,129.135 -18.395,129.135 -18.248,128.987 12.461,128.987 cw(c12.461,126.447) 14.257,128.243 J2.E9@15,127.5
SFP3RX_N: J2.D8 J5F.12 | length 147.3
  Top Layer w0.305: J5F.12@-116.575,98.156 -115.671,98.156 -115.499,98.328 -71.26,98.328 ccw(c-71.26,101.292) -69.164,99.196 ; -69.164,99.196 -50.034,118.326 cw(c-48.238,116.53) -48.238,119.07 -37.518,119.07 v1(-37.37,118.922) ; v1(-23.808,119.07) cw(c-23.203,119.07) -23.203,119.675 -22.798,119.675 -22.65,119.527 -15.271,119.527 ccw(c-15.271,122.067) -13.475,120.271 -10.644,123.103 cw(c-8.55,121.009) -8.55,123.97 5.425,123.97 ccw(c5.425,124.175) 5.63,124.175 cw(c5.845,124.175) 5.845,124.39 6.16,124.39 cw(c6.16,124.175) 6.375,124.175 ccw(c6.58,124.175) 6.58,123.97 6.95,123.97 ccw(c6.95,124.175) 7.155,124.175 cw(c7.37,124.175) 7.37,124.39 7.685,124.39 cw(c7.685,124.175) 7.9,124.175 ccw(c8.105,124.175) 8.105,123.97 8.435,123.97 ccw(c8.435,124.175) 8.64,124.175 cw(c8.855,124.175) 8.855,124.39 9.17,124.39 cw(c9.17,124.175) 9.385,124.175 ccw(c9.59,124.175) 9.59,123.97 9.92,123.97 ccw(c9.92,124.175) 10.125,124.175 cw(c10.34,124.175) 10.34,124.39 10.655,124.39 cw(c10.655,124.175) 10.87,124.175 ccw(c11.075,124.175) 11.075,123.97 16.439,123.97 ccw(c16.439,125.252) 17.345,124.345 J2.D8@18,125
  Bottom Layer w0.305: v1(-37.37,118.922) -37.222,119.07 v1@-23.956,119.07